# KiCad board little_red_rover.kicad_pcb

Outline 127.3 x 82.2 mm; copper layers: Top, Bottom. Coordinates in mm from the lower left corner of the outline.
Outline path: 0.79,49.1 4.79,49.1 4.79,51.1 1.24,51.1 arc(2.49,55.18) 4.15,59.1 8.15,59.1 8.15,61.1 5.19,61.1 arc(20.28,76.53) 41.1,82.2 127.3,82.2 127.3,80.2 121.3,80.2 121.3,77.9 127.3,77.9 127.3,59.3 121.3,59.3 121.3,57 127.3,57 127.3,25.2 121.3,25.2 121.3,22.9 127.3,22.9 127.3,4.3 121.3,4.3 121.3,2 127.3,2 127.3,0 41.1,0 arc(20.28,5.67) 5.19,21.1 8.15,21.1 8.15,23.1 4.15,23.1 arc(2.49,27.02) 1.24,31.1 4.79,31.1 4.79,33.1 0.79,33.1 arc(0,41.1) 0.79,49.1 ; 53.44,57.45 arc(56.32,59.56) 59.74,58.52 72.88,46.1 arc(98.3,41.1) 72.88,36.1 59.74,23.68 arc(56.32,22.64) 53.44,24.75 arc(49.47,41.1) 53.44,57.45 ; 84.8,77.9 84.8,80.2 97.3,80.2 97.3,77.9 84.8,77.9 ; 84.8,59.3 84.8,57 97.3,57 97.3,59.3 84.8,59.3 ; 84.8,22.9 84.8,25.2 97.3,25.2 97.3,22.9 84.8,22.9 ; 84.8,4.3 84.8,2 97.3,2 97.3,4.3 84.8,4.3
Stack: Top 0.035mm / dielectric 1.51mm FR4 er 4.5 / Bottom 0.035mm

## Placement (name value [footprint] x y rotation side)
C1  1uF  [C_0603_1608Metric_Pad1.08x0.95mm_HandSolder]  16.89 20.23 270 top
C2  47uF  [C_0603_1608Metric_Pad1.08x0.95mm_HandSolder]  23.72 21.22 270 top
C3  1uF  [C_0603_1608Metric_Pad1.08x0.95mm_HandSolder]  23.94 27.28 270 top
C4  1uF  [C_0603_1608Metric_Pad1.08x0.95mm_HandSolder]  16.01 27.32 0 top
C5  4.7uF  [C_0603_1608Metric_Pad1.08x0.95mm_HandSolder]  22.28 12.99 90 top
C6  1uF  [C_0603_1608Metric_Pad1.08x0.95mm_HandSolder]  23.96 68.49 0 top
C7  22uF  [C_0603_1608Metric_Pad1.08x0.95mm_HandSolder]  39.59 32.7 90 top
C8  22uF  [C_0603_1608Metric_Pad1.08x0.95mm_HandSolder]  39.51 55.05 90 top
C9  0.1uF  [C_0603_1608Metric_Pad1.08x0.95mm_HandSolder]  42.01 31.73 0 top
C10  0.1uF  [C_0603_1608Metric_Pad1.08x0.95mm_HandSolder]  41.97 54.25 0 top
C11  10uF  [C_0603_1608Metric_Pad1.08x0.95mm_HandSolder]  17.65 23.71 0 top
C12  10uF  [C_0603_1608Metric_Pad1.08x0.95mm_HandSolder]  15.96 25.31 0 top
C13  0.1uF  [C_0603_1608Metric_Pad1.08x0.95mm_HandSolder]  23.96 63.29 180 top
C14  0.1uF  [C_0603_1608Metric_Pad1.08x0.95mm_HandSolder]  119.64 31.81 180 top
C15  0.1uF  [C_0603_1608Metric_Pad1.08x0.95mm_HandSolder]  23.96 58.09 180 top
C16  22uF  [C_0603_1608Metric_Pad1.08x0.95mm_HandSolder]  12.85 40.8 0 top
D3  WS2812B-2020  [LED_WS2812B-2020_PLCC4_2.0x2.0mm]  80.72 3.02 180 top
D4  WS2812B-2020  [LED_WS2812B-2020_PLCC4_2.0x2.0mm]  77.22 3.02 180 top
D5  WS2812B-2020  [LED_WS2812B-2020_PLCC4_2.0x2.0mm]  73.64 3.07 180 top
D7  LED  [LED_0603_1608Metric_Pad1.05x0.95mm_HandSolder]  67.41 3 90 top
D8  LED  [LED_0603_1608Metric_Pad1.05x0.95mm_HandSolder]  70.9 3 90 top
J1  USB_C_Receptacle_USB2.0_14P  [USB_C_Receptacle_GCT_USB4105-xx-A_16P_TopMnt_Horizontal]  58.78 3.81 0 top
J2  Conn_01x04_Socket  [CONN_SM04B-GHS-TB_JST]  18.24 40.97 90 top
J5  Conn_01x01_Socket  [18650_holder]  33.95 77.47 270 top
J6  Conn_01x01_Socket  [18650_holder]  33.95 4.66 90 top
J7  Conn_01x06  [JST_PH_B6B-PH-K_1x06_P2.00mm_Vertical]  47.31 57.74 270 top
J8  Conn_02x12_Odd_Even  [PinHeader_2x12_P2.54mm_Vertical]  75.04 75.98 90 bottom
J9  Conn_01x06  [JST_PH_B6B-PH-K_1x06_P2.00mm_Vertical]  47.31 34.49 270 top
L2  1uH  [L_1008_2520Metric_Pad1.43x2.20mm_HandSolder]  12.91 17.2 0 top
MH1  M3_threaded  [m3_threaded_insert]  77.1 23.11 0 top
MH2  M3_threaded  [m3_threaded_insert]  77.1 59.11 0 top
MH3  M3_threaded  [m3_threaded_insert]  5.8 41.11 0 top
Q1  PMOS  [TSOT-23_HandSoldering]  21.18 22.47 90 top
Q2  PMOS  [TSOT-23_HandSoldering]  17.97 32.23 270 top
R1  5.1k  [R_0603_1608Metric_Pad0.98x0.95mm_HandSolder]  55.78 9.41 180 top
R2  5.1k  [R_0603_1608Metric_Pad0.98x0.95mm_HandSolder]  61.78 9.41 0 top
R3  10k  [R_0603_1608Metric_Pad0.98x0.95mm_HandSolder]  20.64 13.01 270 top
R4  2.94k  [R_0603_1608Metric_Pad0.98x0.95mm_HandSolder]  18.44 20.23 90 top
R5  4.32k  [R_0603_1608Metric_Pad0.98x0.95mm_HandSolder]  18.83 13 270 top
R6  47k  [R_0603_1608Metric_Pad0.98x0.95mm_HandSolder]  22.53 32.5 180 top
R7  47k  [R_0603_1608Metric_Pad0.98x0.95mm_HandSolder]  49.08 5.51 180 top
R8  10k  [R_0603_1608Metric_Pad0.98x0.95mm_HandSolder]  38.58 46.76 90 top
R9  10k  [R_0603_1608Metric_Pad0.98x0.95mm_HandSolder]  120.58 29.41 90 top
R10  33k  [R_0603_1608Metric_Pad0.98x0.95mm_HandSolder]  38.59 42.84 90 top
R11  1k  [R_0603_1608Metric_Pad0.98x0.95mm_HandSolder]  47.3 7.12 180 top
R12  1.5k  [R_0603_1608Metric_Pad0.98x0.95mm_HandSolder]  65.67 2.98 270 top
R13  560  [R_0603_1608Metric_Pad0.98x0.95mm_HandSolder]  83.2 3.47 270 top
R14  10k  [R_0603_1608Metric_Pad0.98x0.95mm_HandSolder]  106.69 55.43 90 top
R15  10k  [R_0603_1608Metric_Pad0.98x0.95mm_HandSolder]  105.09 55.43 90 top
R16  10k  [R_0603_1608Metric_Pad0.98x0.95mm_HandSolder]  108.21 52.01 270 top
R17  10k  [R_0603_1608Metric_Pad0.98x0.95mm_HandSolder]  112.36 52.04 270 top
R18  1.5k  [R_0603_1608Metric_Pad0.98x0.95mm_HandSolder]  69.16 2.98 270 top
R19  56.2k  [R_0603_1608Metric_Pad0.98x0.95mm_HandSolder]  17.95 17.15 180 top
R20  10k  [R_0603_1608Metric_Pad0.98x0.95mm_HandSolder]  116.83 53.35 270 top
SW1  SW_Push  [SW_Tactile_SPST_NO_Straight_CK_PTS636Sx25SMTRLFS]  17.16 63.29 0 top
SW2  SW_Push  [SW_Tactile_SPST_NO_Straight_CK_PTS636Sx25SMTRLFS]  17.16 68.49 0 top
SW3  SW_Push  [SW_Tactile_SPST_NO_Straight_CK_PTS636Sx25SMTRLFS]  17.16 58.09 0 top
SW4  SW_DPDT_x2  [SW_SPDT_PCM12]  47.11 2.13 0 top
U2  BQ24072RGT  [VQFN-16-1EP_3x3mm_P0.5mm_EP1.6x1.6mm]  22.13 17.35 90 top
U3  MIC5504-3.3YM5  [SOT-23-5]  20.86 27.54 0 top
U4  TPS613222ADBV  [SOT-23-5]  14.18 20.95 90 top
U5  DRV8212P  [WSON-8-1EP_2x2mm_P0.5mm_EP0.9x1.6mm_ThermalVias]  40.31 52.15 0 top
U6  DRV8212P  [WSON-8-1EP_2x2mm_P0.5mm_EP0.9x1.6mm_ThermalVias]  40.46 29.75 0 top
U9  LSM6DS3  [LGA-14_3x2.5mm_P0.5mm_LayoutBorder3x4y]  101.09 55.43 270 top
U10  -  [ESP32-S3-MINI-1]  113.76 41.51 270 top

## Library data of the parts
C1-C16 = -: Description: Unpolarized capacitor; JLC: 0603
D3-D5 = -: Description: RGB LED with integrated controller, 2.0 x 2.0 mm, 12 mA; JLC: SMD,2x2mm; LCSC: C965555
D7 D8 = -: Description: Light emitting diode; JLC: 0603; LCSC: C5342734
J1 = -: Description: USB 2.0-only 14P Type-C Receptacle connector; JLC: SMD; LCSC: C2927038
J2 = -: Description: Generic connector, single row, 01x04, script generated; JLC: SMD,P=1.25mm; LCSC: C189895
J5 J6 = -: Description: Generic connector, single row, 01x01, script generated; JLC: SMD; LCSC: C2979182
J7 J9 = -: Description: Generic connector, single row, 01x06, script generated (kicad-library-utils/schlib/autogen/connector/); LCSC: C131342
J8 = -: Description: Generic connector, double row, 02x12, odd/even pin numbering scheme (row 1 odd numbers, row 2 even numbers), script generated (kicad-library-utils/schlib/autogen/connector/); JLC: DNF
L2 = -: Description: Inductor; JLC: 1008; LCSC: C139491
MH1-MH3 = -: Description: Mounting Hole without connection; JLC: -; LCSC: C5301780
Q1 Q2 = -: Description: P-MOSFET transistor, drain/source/gate; JLC: SOT-23; LCSC: C306862; Sim.Pins: 1=D 2=G 3=S; Sim.Type: VDMOS
R1-R20 = -: Description: Resistor; JLC: 0603
SW1-SW3 = -: Description: Push button switch, generic, two pins; LCSC: C2689642
SW4 = -: Description: Switch, dual pole double throw, separate symbols; LCSC: C431541
U2 = -: Description: USB-Friendly Li-Ion Battery Charger and Power-Path Management, VQFN-16; JLC: QFN-16-EP(3x3); LCSC: C140288
U3 = -: Description: 300mA Low-dropout Voltage Regulator, Vout 3.3V, Vin up to 5.5V, SOT-23; JLC: SOT-23-5; LCSC: C88419
U4 = -: Description: 1.8A Step-Up Converter, 5V Output Voltage, 0.9-5.5V Input Voltage, SOT-23-5; JLC: SOT-23-5; LCSC: C2070802
U5 U6 = -: Description: H-Bridge driver, 4A, Low Voltage, PWM input, WSON-8; JLC: WSON-8(2x2); LCSC: C5208051
U9 = -: Description: I2C/SPI, iNEMO inertial module: always-on 3D accelerometer and 3D gyroscope; JLC: LGA-14(2.5x3); LCSC: C95230
U10 = -: Description: Smallsized module supporting 2.4 GHz WiFi (802.11 b/g/n) and Bluetooth ® 5 (LE) Built around ESP32S3 series of SoCs, Xtensa ® dualcore 32bit LX7 microprocessor Flash up to 8 MB, optional 2 MB PSRAM in chip package 39 GPIOs, rich set of peripherals Onboard PCB antenna or external antenna connector; JLC: SMD-41P; LCSC: C2913206

## Footprints (pads in the part's own frame, mm; a bottom-side part is the same pattern mirrored in y, then rotated)
18650_holder
  rect 4.24x3.3 hole 1.85: 1(0,0)
  rect 4.24x5.2 hole 1.85: 1(16.01,0)
C_0603_1608Metric_Pad1.08x0.95mm_HandSolder
  rrect 1.075x0.95 smd: 1(-0.863,0) 2(0.863,0)
CONN_SM04B-GHS-TB_JST
  rect 0.66x1.702 smd: 1(-1.875,1.876) 2(-0.625,1.876) 3(0.625,1.876) 4(1.875,1.876)
  rect 1.092x2.794 smd: 5(-3.8,-1.2) 6(3.8,-1.2)
ESP32-S3-MINI-1
  rect 0.8x0.4 smd: 1(-7,5.95) 2(-7,5.1) 3(-7,4.25) 4(-7,3.4) 5(-7,2.55) 6(-7,1.7) 7(-7,0.85) 8(-7,0) 9(-7,-0.85) 10(-7,-1.7) 11(-7,-2.55) 12(-7,-3.4) 13(-7,-4.25) 14(-7,-5.1) 15(-7,-5.95) 31(7,-5.95) 32(7,-5.1) 33(7,-4.25) 34(7,-3.4) 35(7,-2.55) 36(7,-1.7) 37(7,-0.85) 38(7,0) 39(7,0.85) 40(7,1.7) 41(7,2.55) 42(7,3.4) 43(7,4.25) 44(7,5.1) 45(7,5.95)
  rect 0.4x0.8 smd: 16(-5.95,-7) 17(-5.1,-7) 18(-4.25,-7) 19(-3.4,-7) 20(-2.55,-7) 21(-1.7,-7) 22(-0.85,-7) 23(0,-7) 24(0.85,-7) 25(1.7,-7) 26(2.55,-7) 27(3.4,-7) 28(4.25,-7) 29(5.1,-7) 30(5.95,-7) 46(5.95,7) 47(5.1,7) 48(4.25,7) 49(3.4,7) 50(2.55,7) 51(1.7,7) 52(0.85,7) 53(0,7) 54(-0.85,7) 55(-1.7,7) 56(-2.55,7) 57(-3.4,7) 58(-4.25,7) 59(-5.1,7) 60(-5.95,7)
  custom 1.2x1.2 smd: 61(-1.65,1.65)
  rect 1.2x1.2 smd: 61(-1.65,0) 61(-1.65,-1.65) 61(0,1.65) 61(0,0) 61(0,-1.65) 61(1.65,1.65) 61(1.65,0) 61(1.65,-1.65)
  rect 0.8x0.8 smd: 62(-7,7) 63(-7,-7) 64(7,-7) 65(7,7)
JST_PH_B6B-PH-K_1x06_P2.00mm_Vertical
  rrect 1.2x1.75 hole 0.75: 1(0,0)
  oval 1.2x1.75 hole 0.75: 2(2,0) 3(4,0) 4(6,0) 5(8,0) 6(10,0)
L_1008_2520Metric_Pad1.43x2.20mm_HandSolder
  rrect 1.425x2.2 smd: 1(-1.163,0) 2(1.163,0)
LED_0603_1608Metric_Pad1.05x0.95mm_HandSolder
  rrect 1.05x0.95 smd: 1(-0.875,0) 2(0.875,0)
LED_WS2812B-2020_PLCC4_2.0x2.0mm
  rect 0.7x0.7 smd: 1(-0.915,0.55) 2(-0.915,-0.55) 3(0.915,-0.55) 4(0.915,0.55)
LGA-14_3x2.5mm_P0.5mm_LayoutBorder3x4y
  rrect 0.625x0.35 smd: 1(-1.163,0.75) 2(-1.163,0.25) 3(-1.163,-0.25) 4(-1.163,-0.75) 8(1.163,-0.75) 9(1.163,-0.25) 10(1.163,0.25) 11(1.163,0.75)
  rrect 0.35x0.625 smd: 5(-0.5,-0.912) 6(0,-0.912) 7(0.5,-0.912) 12(0.5,0.912) 13(0,0.912) 14(-0.5,0.912)
m3_threaded_insert
  round 6.2 hole 4.22 unplated: (0,0)
PinHeader_2x12_P2.54mm_Vertical
  rect 1.7x1.7 hole 1: 1(0,0)
  oval 1.7x1.7 hole 1: 2(2.54,0) 3(0,-2.54) 4(2.54,-2.54) 5(0,-5.08) 6(2.54,-5.08) 7(0,-7.62) 8(2.54,-7.62) 9(0,-10.16) 10(2.54,-10.16) 11(0,-12.7) 12(2.54,-12.7) 13(0,-15.24) 14(2.54,-15.24) 15(0,-17.78) 16(2.54,-17.78) 17(0,-20.32) 18(2.54,-20.32) 19(0,-22.86) 20(2.54,-22.86) 21(0,-25.4) 22(2.54,-25.4) 23(0,-27.94) 24(2.54,-27.94)
R_0603_1608Metric_Pad0.98x0.95mm_HandSolder
  rrect 0.975x0.95 smd: 1(-0.912,0) 2(0.912,0)
SOT-23-5
  rrect 1.325x0.6 smd: 1(-1.137,0.95) 2(-1.137,0) 3(-1.137,-0.95) 4(1.137,-0.95) 5(1.137,0.95)
SW_SPDT_PCM12
  rect 1x0.8 smd: (-3.65,0.78) (-3.65,-1.43) (3.65,0.78) (3.65,-1.43)
  round 0.9 hole 0.9 unplated: (-1.5,-0.33) (1.5,-0.33)
  rect 0.7x1.5 smd: 1(-2.25,1.43) 2(0.75,1.43) 3(2.25,1.43)
SW_Tactile_SPST_NO_Straight_CK_PTS636Sx25SMTRLFS
  rect 1.25x1 smd: 1(-3.875,0) 2(3.875,0)
TSOT-23_HandSoldering
  rrect 2x0.65 smd: 1(-1.71,0.95) 2(-1.71,-0.95) 3(1.71,0)
USB_C_Receptacle_GCT_USB4105-xx-A_16P_TopMnt_Horizontal
  round 0.65 hole 0.65 unplated: (-2.89,2.605) (2.89,2.605)
  rrect 0.6x1.15 smd: A1(-3.2,3.68) A4(-2.4,3.68) A9(2.4,3.68) A12(3.2,3.68) B1(3.2,3.68) B4(2.4,3.68) B9(-2.4,3.68) B12(-3.2,3.68)
  rrect 0.3x1.15 smd: A5(-1.25,3.68) A6(-0.25,3.68) A7(0.25,3.68) A8(1.25,3.68) B5(1.75,3.68) B6(0.75,3.68) B7(-0.75,3.68) B8(-1.75,3.68)
  oval 1x2.1 hole 0.6x1.7: S1(-4.32,3.105) S1(4.32,3.105)
  oval 1x1.8 hole 0.6x1.4: S1(-4.32,-1.075) S1(4.32,-1.075)
VQFN-16-1EP_3x3mm_P0.5mm_EP1.6x1.6mm
  rrect 0.64x0.64 smd: (-0.4,0.4) (-0.4,-0.4) (0.4,0.4) (0.4,-0.4)
  rrect 0.875x0.25 smd: 1(-1.438,0.75) 2(-1.438,0.25) 3(-1.438,-0.25) 4(-1.438,-0.75) 9(1.438,-0.75) 10(1.438,-0.25) 11(1.438,0.25) 12(1.438,0.75)
  rrect 0.25x0.875 smd: 5(-0.75,-1.438) 6(-0.25,-1.438) 7(0.25,-1.438) 8(0.75,-1.438) 13(0.75,1.438) 14(0.25,1.438) 15(-0.25,1.438) 16(-0.75,1.438)
  rect 1.6x1.6 smd: 17(0,0)
WSON-8-1EP_2x2mm_P0.5mm_EP0.9x1.6mm_ThermalVias
  rect 0.75x0.65 smd: (0,0.4) (0,-0.4)
  rrect 0.5x0.25 smd: 1(-0.95,0.75) 2(-0.95,0.25) 3(-0.95,-0.25) 4(-0.95,-0.75) 5(0.95,-0.75) 6(0.95,-0.25) 7(0.95,0.25) 8(0.95,0.75)
  round 0.6 hole 0.25: 9(0,0.5) 9(0,-0.5)
  rect 0.9x1.6 smd: 9(0,0)
  rect 0.9x1.6 smd far side: 9(0,0)

## Nets
+3.3V: C3.1 C9.1 C10.1 J7.4 J8.20 J8.22 J9.4 R9.1 R14.1 R15.1 R16.1 R17.1 R20.1 U3.5 U5.8 U6.8 U9.1 U9.5 U9.8 U9.12 U10.3
+5V: C11.1 C12.1 C16.1 D3.4 D4.4 D5.4 J2.4 J8.19 J8.21 U4.4
GND: C1.1 C2.1 C3.2 C4.2 C5.1 C6.2 C7.2 C8.2 C9.2 C10.2 C11.2 C12.2 C13.1 C14.1 C15.1 C16.2 D3.2 D4.2 D5.2 J1.A1 J1.A12 J1.B1 J1.B12 J1.S1 J2.2 J5.1 J7.1 J8.1 J8.2 J8.23 J8.24 J9.1 R1.2 R2.2 R3.2 R4.2 R5.2 R6.1 R7.1 R10.1 R19.2 SW1.1 SW2.1 SW3.1 SW4.3 U2.4 U2.6 U2.8 U2.15 U2.17 U3.2 U4.2 U5.4 U5.9 U6.4 U6.9 U9.6 U9.7 U10.1 U10.2 U10.41 U10.42 U10.43 U10.44 U10.46 U10.47 U10.48 U10.49 U10.50 U10.51 U10.52 U10.53 U10.54 U10.55 U10.56 U10.57 U10.58 U10.59 U10.60 U10.61 U10.62 U10.63 U10.64 U10.65
VDD: C4.1 C7.1 C8.1 L2.1 Q1.3 R8.2 U3.1 U3.3 U5.1 U6.1
+BATT: C5.2 Q2.2 U2.2 U2.3
/bat_+: J6.1 Q2.3
/bat_level: J8.3 R8.1 R10.2 U10.19
/boot: C13.2 R20.2 SW1.2 U10.4
/charger_out: C2.2 Q1.2 R12.2 R18.2 SW4.1 U2.5 U2.10 U2.11
/CHG: D7.1 U2.9
/chip_en: C6.1 C14.2 R9.2 SW2.2 U10.45
/GPIO_16: J8.5 U10.20
/GPIO_21: J8.7 U10.25
/GPIO_33: J8.9 U10.28
/GPIO_34: J8.11 U10.29
/GPIO_35: J8.13 U10.31
/GPIO_36: J8.15 U10.32
/GPIO_37: J8.17 U10.33
/GPIO_38: J8.4 U10.34
/GPIO_39: J8.6 U10.35
/GPIO_40: J8.8 U10.36
/GPIO_41: J8.10 U10.37
/GPIO_42: J8.12 U10.38
/GPIO_43: J8.14 U10.39
/GPIO_44: J8.16 U10.40
/GPIO_48: J8.18 U10.30
/ILIM: R4.1 U2.12
/imu_scl: R15.2 U9.13 U10.5
/imu_sda: R14.2 U9.14 U10.6
/ISET: R5.1 U2.16
/left_encoder_a: J7.2 U10.17
/left_encoder_b: J7.3 U10.18
/left_motor_+: J7.5 U5.2
/left_motor_-: J7.6 U5.3
/left_motor_pwm_a: U5.6 U10.10
/left_motor_pwm_b: U5.5 U10.11
/lidar_enable: U10.16
/lidar_pwm: J2.1 U10.27
/lidar_tx: J2.3 U10.22
/motor_sleep: R17.2 U5.7 U6.7 U10.9
/PGOOD: D8.1 U2.7
/reprovision: C15.2 R16.2 SW3.2 U10.15
/right_encoder_a: J9.2 U10.7
/right_encoder_b: J9.3 U10.8
/right_motor_+: J9.5 U6.2
/right_motor_-: J9.6 U6.3
/right_motor_pwm_a: U6.6 U10.12
/right_motor_pwm_b: U6.5 U10.13
/status_leds: R13.1 U10.14
/TMR: R19.1 U2.14
/TS: R3.1 U2.1
/usb_5v: C1.2 J1.A4 J1.A9 J1.B4 J1.B9 U2.13
/usb_data_+: J1.A6 J1.B6 U10.24
/usb_data_-: J1.A7 J1.B7 U10.23
Net-(D3-DIN): D3.3 R13.2
Net-(D3-DOUT): D3.1 D4.3
Net-(D4-DOUT): D4.1 D5.3
Net-(D7-A): D7.2 R12.1
Net-(D8-A): D8.2 R18.1
Net-(J1-CC1): J1.A5 R1.1
Net-(J1-CC2): J1.B5 R2.1
Net-(Q1-G): Q1.1 R11.2
Net-(Q2-G): Q2.1 R6.2
Net-(SW4A-B): R7.2 R11.1 SW4.2
Net-(U4-SW): L2.2 U4.1

Pads without a net: D5 1; J1 A8 B8; J2 5 6; U3 4; U4 3 5; U9 2 3 4 9 10 11; U10 21 26

## Via types
v1: diameter 0.8, hole 0.4, Top to Bottom, 170 vias

## Routing (per net, layer and track width the routed paths; a pad name or vN(x,y) marks a point on that pad's centre or on a via; arc(x,y) is an arc through that point)
+3.3V: length 264.5
  Top w0.2: U9.8 100.34,53.91 100.59,53.66 102.09,53.66 102.32,53.88 102.32,54.66 102.04,54.93 ; 100.14,55.93 99.86,56.21 99.86,56.98 100.09,57.21 101.59,57.21 101.84,56.96 U9.1 ; U9.5 100.54,55.93 101.54,54.93 U9.12 102.96,54.93 103.55,55.52 104.14,55.52 105.09,54.57 106.69,54.57
  Top w0.5: 41.41,30.57 41.41,31.47 C9.1 ; v1(117.91,50.98) 118.01,50.88 118.01,49.02 ; 41.26,54.1 41.26,52.97 ; v1(120.62,27.36) 120.62,28.46 ; 106.69,54.57 112.25,54.57 v1(112.38,54.44) 112.42,54.4 112.42,53.26 112.06,52.9 108.23,52.9 ; R20.1 117.33,54.26 117.91,53.68 v1(117.91,53.26)
  Top w1: C9.1 41.15,33.55 42.36,34.77 43.36,34.77 44.11,34.02 44.11,29.75 v1(43.65,29.29) 44.44,28.49 J9.4 ; v1(25.91,27.44) 25.2,28.14 23.94,28.14 23.59,28.49 U3.5 ; J7.4 44.05,51.74 v1(43.95,51.64) 44.07,51.76 44.07,55.14 42.6,56.61 41.7,56.61 40.9,55.82 40.9,54.46 C10.1
  Bottom w0.5: v1(120.62,27.36) 117.96,27.36 117.96,50.93 v1(117.91,50.98) v1(117.91,53.26) 116.73,54.44 v1(112.38,54.44)
  Bottom w1: 117.96,27.36 109.91,19.31 45.47,19.31 39.82,24.96 ; 39.82,24.96 40.93,24.96 43.65,27.68 v1(43.65,29.29) 44.42,30.06 44.42,51.17 v1(43.95,51.64) 44.47,52.16 44.47,78.09 46.46,80.07 48.09,80.07 J8.22 J8.20 ; 39.82,24.96 36.36,28.42 32.5,28.42 31.56,27.49 25.96,27.49 v1(25.91,27.44)
+5V: length 174.7
  Top w0.3: v1(71.49,6.15) 71.84,5.8 71.84,2.75 72.07,2.52 D5.4 73.42,1.82 75.65,1.82 D4.4 77.27,1.51 79.8,1.51
  Top w0.5: D3.4 79.8,1.51
  Top w1: J8.19 J8.21 48.09,74.43 39.34,74.43 v1(39.31,74.46) ; J2.4 16.36,44.16 v1(15.93,44.59) ; 13.85,25.35 12.05,25.35 v1(12,25.3) ; 13.85,25.35 13.89,25.31 C12.1 15.1,24.83 16.22,23.71 C11.1 15.17,22.09 U4.4 13.85,23.36 13.85,25.35 ; v1(12,42.51) 11.98,42.49 C16.1
  Bottom w0.2: 12.08,33.21 22.2,23.09 37.85,23.09 45.41,15.53
  Bottom w0.3: 45.41,15.53 62.11,15.53 v1(71.49,6.15)
  Bottom w1: v1(39.31,74.46) 15.93,51.08 v1(15.93,44.59) 14.08,44.59 v1(12,42.51) v1(12,25.3)
GND: length 79.7
  Top w0.2: J1.S1 62.52,7.49 J1.A12 ; U2.4 22.88,16.35 22.83,16.4 22.83,16.65 ; v1(28.08,18.26) 27.92,18.1 U2.8 ; 22.72,17.55 23.17,17.1 23.59,17.1 ; v1(104.59,49.32) 102.81,51.09 v1(101.54,51.09) ; U5.4 40.06,51.4 U5.9 ; U9.6 U9.7
  Top w0.25: 106.69,48.58 v1(106.69,50.86) ; 22.72,17.94 22.86,18.08 23.57,18.08
  Top w0.3: v1(23.79,15.49) 23.38,15.91 22.92,15.91 22.91,15.89 ; U4.2 14.18,20.48 14.78,21.08 16.87,21.08 ; 54.87,9.61 55.58,8.9 J1.A1 ; 100.15,55.41 99.87,55.12 99.87,54.93 ; U9.7 100.18,55.41 ; U3.2 20.38,27.54 ; U6.9 40.21,29 U6.4 ; J1.A12 61.98,8.7 R2.2 ; R19.2 17.54,17.15 18.36,16.33 19.39,16.33 20.17,17.1 21.2,17.1 21.54,16.76
  Top w0.4: C3.2 22.82,27.54 U3.2
  Top w0.5: v1(78.43,5.1) 78.43,3.86 78.14,3.57 ; C14.1 120.51,33.75 120.76,34.01 ; D5.2 74.55,4.92 v1(74.54,4.93) ; v1(81.63,4.55) 81.64,4.54 81.64,3.57
  Top w1: U10.61 U10.61 ; U10.61 U10.61 ; U10.61 U10.61 ; U10.61 U10.61 ; U10.61 U10.61 ; U10.61 U10.61 ; U10.61 U10.61 ; U10.61 U10.61 ; v1(42.15,55.3) 42.83,54.61 C10.2 ; C8.2 39.51,56.12 v1(41.34,57.95) ; v1(42.86,33.57) 42.87,33.56 C9.2
  Bottom w0.2: v1(101.54,51.09) 99.27,53.36 v1(99.27,54.11)
  Bottom w0.25: v1(108.2,45.95) 106.63,47.52 106.63,50.8 v1(106.69,50.86)
  Bottom w0.5: v1(74.54,4.93) 74.38,5.09 ; v1(81.63,4.55) 78.98,4.55 v1(78.43,5.1)
  vias: v1(7.33,32.51) v1(9.33,53.51) v1(17.58,57.51) v1(20.08,22.76) v1(20.58,49.76) v1(20.84,7.53) v1(23.58,35.51) v1(24.33,66.01) v1(25.57,50.17) v1(25.83,21.01) v1(26.22,26.36) v1(27.08,67.51) v1(27.4,12.14) v1(27.91,19.71) v1(28.87,37.83) v1(29.08,25.26) v1(29.97,6.71) v1(30.08,21.26) v1(30.91,71.53) v1(31.44,11.72) v1(31.83,55.01) v1(32.58,45.01) v1(38.79,18.34) v1(39.49,4.37) v1(39.58,79.51) v1(41.08,70.01) v1(42.58,39.51) v1(42.83,43.01) v1(47.18,37.63) v1(47.44,41.7) v1(49.08,71.01) v1(49.22,21.12) v1(55.33,71.51) v1(62.83,69.51) v1(67.58,22.51) v1(69.33,68.76) v1(70.08,24.76) v1(70.09,15.33) v1(71.83,51.01) v1(71.82,30.52) v1(72.33,21.01) v1(75.3,73.06) v1(75.35,9) v1(78.83,69.26) v1(79.61,74.01) v1(81.82,58.8) v1(82.08,14.76) v1(84.01,23.66) v1(87.98,65.99) v1(88.43,62.88) v1(88.59,70.14) v1(88.84,67.6) v1(91.42,66.07) v1(92.9,61.64) v1(96.08,12.76) v1(96.33,73.26) v1(99,29.76) v1(103.33,2.51) v1(105.08,76.26) v1(107.89,23.41) v1(111.19,27.73) v1(112.58,44.76) v1(112.83,38.26) v1(116.08,45.51) v1(116.83,3.26) v1(118.08,18.01) v1(120.24,64.87) v1(120.45,76.06)
VDD: length 74.6
  Top w0.3: U5.1 39.36,53.44
  Top w0.4: 39.59,31.03 39.59,30.58
  Top w0.5: C7.1 39.59,31.03 ; 39.36,54.04 39.36,53.44
  Top w1: 36.83,47.76 36.83,52.45 38.56,54.19 C8.1 ; 36.83,47.76 v1(36.83,34.45) 39.45,31.84 C7.1 ; 36.83,47.76 36.92,47.67 R8.2 ; Q1.3 21.18,24.22 18.24,27.16 18.24,28.69 ; 18.24,28.69 16.37,28.69 15.64,27.95 15.64,27.81 C4.1 12.32,27.32 10.72,25.71 10.72,18.23 L2.1 ; 18.24,28.69 20.37,28.69 20.51,28.83 v1(20.51,30.05)
  Bottom w1: v1(36.83,34.45) 32.43,30.05 v1(20.51,30.05)
+BATT: length 33.3
  Top w0.5: 22.3,15.89 22.28,15.86 C5.2 22.28,15.56 21.95,15.89
  Top w1: v1(13.44,30.65) 13.73,30.65 Q2.2 ; v1(23.91,13.82) 23.88,13.85 C5.2
  Bottom w1: v1(23.91,13.82) 21.61,13.82 13.44,21.99 v1(13.44,30.65)
/bat_+: length 39.2
  Top w1: J6.1 33.95,24.97 27.67,31.25 18.7,31.25 Q2.3
  Bottom w1: J6.1 J6.1
/bat_level: length 113.6
  Top w0.2: J8.3 73.72,74.76 80.08,74.76 81.58,73.26 v1(82.33,73.26) ; R8.1 48.16,45.85 49.6,47.29 49.6,55.28 v1(52.33,58.01) ; v1(102.41,47.7) 102.93,47.18 102.93,47.01 102.97,47.01 103.41,46.57 103.41,45.95 103.15,45.69 103.93,44.91 U10.19 ; v1(59.83,67.76) v1(53.08,67.76)
  Top w1: R8.1 38.58,43.76 R10.2
  Bottom w0.2: J8.3 64.28,67.76 v1(59.83,67.76) ; v1(102.41,47.7) 102.39,47.7 97.71,52.38 97.71,54.53 98.9,55.72 98.9,61.48 89.37,71.01 84.58,71.01 v1(82.33,73.26) ; v1(53.08,67.76) 53.08,58.76 v1(52.33,58.01)
/boot: length 105.1
  Top w0.2: C13.2 23.96,64.15 105.11,64.15 R20.2 117.16,52.11 U10.4
  Top w0.5: C13.2 SW1.2 ; 116.83,52.43 R20.2
/charger_out: length 78.5
  Top w0.2: R18.2 68.37,2.85 68.37,4.21 67.88,4.7 63.31,4.7 v1(63.28,4.67) 65.67,2.28 ; v1(40.36,9.6) 31.84,9.6 25.12,16.32
  Top w0.3: v1(40.36,9.6) 44.86,5.1 SW4.1
  Top w0.5: 21.95,18.89 21.95,20.59 Q1.2 ; 22.3,19.76 22.3,18.81 ; 23.59,16.53 23.61,16.51 25.15,16.51
  Top w1: 24.32,19.93 23.89,20.36 C2.2 ; 24.32,19.93 22.15,19.93 22.13,19.95 Q1.2 ; 24.32,19.93 v1(24.75,19.5) ; v1(26.04,16.88) 25.49,16.32 25.12,16.32
  Bottom w0.2: v1(40.36,9.6) 40.16,9.8 40.16,11.45 40.57,11.86 54.9,11.86 62.09,4.67 v1(63.28,4.67)
  Bottom w1: v1(24.75,19.5) 24.75,18.17 v1(26.04,16.88)
/CHG: length 55.3
  Top w0.2: v1(40.86,11.16) 36.38,15.64 29.27,15.64 28.83,16.08 28.83,18.57 28.39,19.01 27.02,19.01 26.67,18.66 23.03,18.66 22.88,18.81 ; v1(61.77,1.44) 61.98,1.23 66.52,1.23 D7.1
  Bottom w0.2: v1(40.86,11.16) 53.92,11.16 58.47,6.61 58.88,6.61 61.77,3.72 v1(61.77,1.44)
/chip_en: length 129.6
  Top w0.2: v1(101.08,65.29) 27.78,65.29 25.35,67.71 23.87,67.71 C6.1 ; v1(119.25,35.75) 119.71,35.29 119.71,32.74 C14.2
  Top w0.3: 120.27,30.32 C14.2
  Top w0.5: C6.1 SW2.2
  Bottom w0.2: v1(101.08,65.29) 108.8,65.29 119.33,54.76 119.33,50.9 119.25,50.82 v1(119.25,35.75)
/GPIO_16: length 57.8
  Top w0.2: J8.5 73.63,72.31 80.03,72.31 83.78,68.56 v1(84.65,68.56) ; U10.20 104.16,44.06 102.66,45.56 v1(102.66,46.26)
  Bottom w0.2: v1(84.65,68.56) 89.98,68.56 91.37,67.17 92.65,67.17 98.45,61.37 98.45,59.85 98.5,59.8 98.5,56.5 98.45,56.45 98.45,55.96 97.31,54.82 97.31,52.17 101.66,47.82 101.66,47.39 102.66,46.39 v1(102.66,46.26)
/GPIO_21: length 66.3
  Top w0.2: v1(104.83,39.5) 105.14,39.81 U10.25 ; J8.7 71.49,71.91 79.87,71.91 84,67.78 v1(85.46,67.78)
  Bottom w0.2: v1(85.46,67.78) 85.46,64.94 86.06,64.94 86.06,62.24 87.41,60.89 96.28,60.89 97.7,59.47 97.7,56.83 96.51,55.64 96.51,51.81 100.86,47.47 100.86,43.48 v1(104.83,39.5)
/GPIO_33: length 79.8
  Top w0.2: v1(103.44,37.97) 104.15,37.26 U10.28
  Bottom w0.2: J8.9 63.73,74.83 61.75,74.83 58.33,71.41 58.33,67.26 60.58,65.01 80.71,65.01 81.82,63.9 81.82,60.79 84,58.61 84,56.67 84.47,56.2 90.93,56.2 91.3,55.83 91.33,55.83 100.06,47.1 100.06,41.36 v1(103.44,37.97)
/GPIO_34: length 79.1
  Top w0.2: v1(102.81,37.13) 103.53,36.41 U10.29
  Bottom w0.2: v1(102.81,37.13) 99.66,40.29 99.66,46.94 91.16,55.43 91.14,55.43 90.77,55.8 84.3,55.8 83.6,56.5 83.6,58.45 81.3,60.75 81.3,63.85 80.64,64.51 60.58,64.51 60.48,64.61 60.41,64.61 57.93,67.09 57.93,71.57 J8.11
/GPIO_35: length 77.8
  Top w0.2: v1(85.08,72.51) 80.4,72.51 80.2,72.71 76.71,72.71 75.61,73.81 73.03,73.81 71.11,75.73 71.11,76.46 70.44,77.13 60.95,77.13 J8.13 ; U10.31 107.81,35.69 v1(107.82,35.7)
  Bottom w0.2: v1(107.82,35.7) 107.47,36.05 107.47,45.05 105.77,46.75 105.77,49.3 103.29,51.78 103.29,58.24 89.52,72.01 85.58,72.01 v1(85.08,72.51)
/GPIO_36: length 86.9
  Top w0.2: U10.32 108.66,34.01 107.46,32.81 105.92,32.81 105.56,32.44 105.56,31.82 105.58,31.79 v1(105.4,31.61)
  Bottom w0.2: v1(105.4,31.61) 105.4,33.5 99.1,39.8 99.1,46.92 90.99,55.03 90.97,55.03 90.6,55.4 84.14,55.4 84.03,55.51 80.9,55.51 80.9,63.68 60.77,63.68 57.53,66.93 57.53,66.99 57.26,67.27 J8.15
/GPIO_37: length 86.6
  Top w0.2: 109.51,34.7 108.57,35.64 v1(108.57,36.55)
  Bottom w0.2: J8.17 55.87,77.13 79.52,77.13 83.08,73.57 83.08,73.32 84.89,71.51 89.45,71.51 102.89,58.07 102.89,51.29 103.75,50.43 103.75,48.21 107.07,44.89 107.07,35.44 107.69,34.81 108.27,34.81 108.57,35.11 v1(108.57,36.55)
/GPIO_38: length 67.4
  Top w0.2: 110.36,34.7 109.47,35.59 109.47,36.64 v1(108.44,37.68) ; J8.4 74.14,80.16 77.04,80.16 83.3,73.9 v1(84.51,73.9)
  Bottom w0.2: v1(84.51,73.9) 85.09,73.9 86.58,72.41 89.68,72.41 103.69,58.4 103.69,51.95 106.17,49.46 106.17,47.05 107.45,45.78 107.45,45.64 107.89,45.2 108.05,45.2 108.05,38.06 v1(108.44,37.68)
/GPIO_39: length 73
  Top w0.2: v1(83.11,75.16) 83.11,77.73 80.27,80.56 72,80.56 J8.6 ; v1(110.85,36.04) 111.21,35.68 U10.35
  Bottom w0.2: v1(110.85,36.04) 110.69,36.2 110.69,45.5 110.99,45.8 110.99,46.42 110.63,46.78 110.63,52.3 110.19,52.74 109.92,52.74 89.35,73.31 87.66,73.31 85.82,75.16 v1(83.11,75.16)
/GPIO_40: length 74.1
  Top w0.2: U10.36 112.06,35.78 v1(111.89,35.95)
  Bottom w0.2: v1(111.89,35.95) 111.78,36.06 111.78,36.34 111.39,36.73 111.39,46.59 111.03,46.95 111.03,52.47 110.36,53.14 110.08,53.14 89.51,73.71 87.83,73.71 81.47,80.07 68.97,80.07 J8.8
/GPIO_41: length 77.8
  Top w0.2: U10.37 112.91,36.27 v1(112.09,37.09)
  Bottom w0.2: v1(112.09,37.09) 111.83,37.34 111.83,51.95 111.43,52.36 111.43,52.63 110.52,53.54 110.25,53.54 89.68,74.11 88.38,74.11 88.04,74.45 87.65,74.45 82.56,79.55 82.56,79.93 82.02,80.47 66.83,80.47 J8.10
/GPIO_42: length 83.9
  Top w0.2: v1(115.58,37.38) 113.76,35.56 U10.38 ; J8.12 64.69,80.87 68.07,80.87 68.16,80.96 80.48,80.96 86.24,75.2 v1(87.96,75.2)
  Bottom w0.2: v1(115.58,37.38) 117.01,38.81 117.01,47.14 114.25,49.9 114.25,50.38 89.42,75.2 v1(87.96,75.2)
/GPIO_43: length 87.2
  Top w0.2: 114.63,34.53 114.63,35.37 v1(114.91,35.65) ; J8.14 62.64,81.36 80.77,81.36 86.18,75.95 v1(89.39,75.95)
  Bottom w0.2: v1(114.91,35.65) 116.33,37.07 116.33,37.2 117.41,38.28 117.41,47.3 114.65,50.06 114.65,50.54 89.39,75.8 v1(89.39,75.95)
/GPIO_44: length 95.5
  Top w0.2: U10.40 115.46,34.16 113.12,31.82 106.55,31.82 v1(106.31,32.06) ; v1(86.38,66.77) 84.44,66.77 79.7,71.51 58.89,71.51 58.65,71.75 58.65,76.46 58.99,76.79 J8.16
  Bottom w0.2: v1(106.31,32.06) 106.31,41.55 101.87,45.99 101.87,46.61 101.26,47.23 101.26,47.65 96.91,52 96.91,55.48 98.1,56.67 98.1,59.63 98,59.73 98,61.25 92.48,66.77 v1(86.38,66.77)
/GPIO_48: length 80.9
  Top w0.2: U10.30 102.03,35.56 v1(101.58,36.01)
  Bottom w0.2: v1(101.58,36.01) 101.58,36.26 98.7,39.14 98.7,46.73 90.66,54.78 73.38,54.78
  Bottom w0.25: 73.38,54.78 69.08,54.78 53.54,70.31 53.54,77.35 J8.18
/ILIM: length 3.1
  Top w0.3: R4.1 18.94,18.81 21.36,18.81
/imu_scl: length 19.7
  Top w0.2: U10.5 116.31,51.36 116.28,51.39 116.28,51.6 112.47,55.41 105.98,55.41 105.09,56.29 103.76,56.29 102.89,55.43 U9.13
/imu_sda: length 19.6
  Top w0.2: U9.14 102.38,55.93 103.58,57.13 105.85,57.13 106.69,56.29 110.37,56.29 v1(110.51,56.16) ; v1(115.57,50.82) 115.46,50.71 U10.6
  Bottom w0.2: v1(115.57,50.82) 114.95,50.82 110.51,55.27 v1(110.51,56.16)
/ISET: length 3.4
  Top w0.3: 20.67,16.6 18.83,14.76 R5.1
/left_encoder_a: length 77.3
  Top w0.2: v1(102.43,49.85) 102.43,49.74 105.56,46.61 U10.17 ; v1(49.14,63.09) 49.18,63.05 87.54,63.05 88.12,63.63 88.74,63.63 89.18,63.19 89.18,63.05 96.12,63.05 v1(99.72,59.45)
  Bottom w0.2: v1(99.72,59.45) 102.49,56.68 102.49,49.9 v1(102.43,49.85) ; J7.2 49.14,57.57 v1(49.14,63.09)
/left_encoder_b: length 79.9
  Top w0.2: v1(51.21,62.3) 67.93,62.3 74.51,55.71 78.51,55.71 79.87,57.07 81.43,57.07 84.58,60.22 96.95,60.22 98.46,58.71 v1(98.46,53.45) ; U10.18 105.56,45.76 102.22,49.1 101.99,49.1 v1(100.82,50.26)
  Bottom w0.2: v1(51.21,62.3) 51.21,57.64 J7.3 ; v1(100.82,50.26) 98.46,52.63 v1(98.46,53.45)
/left_motor_+: length 19
  Top w0.3: 38.11,52.39 38.12,52.4 U5.2
  Top w0.5: J7.5 48.64,48.41 48.64,47.1 48.22,46.69 41.77,46.69 37.78,50.68 37.78,52.06 38.11,52.39
/left_motor_-: length 11.7
  Top w0.3: 38.48,51.77 38.61,51.9 U5.3
  Top w0.5: 38.48,51.77 38.48,51.3 42.04,47.74 J7.6
/left_motor_pwm_a: length 93.2
  Top w0.2: U5.6 42.15,51.9 v1(42.75,51.3) ; v1(43.28,61.78) 42.75,62.3 42.75,62.51 42.57,62.69 42.57,63.31 43.01,63.75 43.81,63.75 45.22,62.34 50.17,62.34 50.96,61.55 51.53,61.55 51.76,61.78 67.44,61.78 73.91,55.31 78.67,55.31 79.87,56.51 91.37,56.51 95.31,52.57 99.78,52.57 100.25,53.04 106.09,53.04 106.16,53.11 106.78,53.11 107.22,52.67 107.22,52.13 108.67,52.13 109.57,51.24 110.54,51.24 112.06,49.72 U10.10
  Bottom w0.2: v1(43.28,61.78) 43.67,61.39 43.67,52.49 42.75,51.57 v1(42.75,51.3)
/left_motor_pwm_b: length 91.3
  Top w0.2: v1(42.35,61.29) 42.7,60.94 50.38,60.94 50.57,60.75 51.86,60.75 52.02,60.91 56.3,60.91 56.31,60.91 56.32,60.92 56.48,60.92 56.62,60.92 56.65,60.95 56.91,60.95 56.93,60.96 56.93,60.95 66.84,60.95 73.29,54.51 79.01,54.51 80.21,55.71 91.04,55.71 94.98,51.77 100.59,51.77 101.06,52.24 102.02,52.24 102.37,51.89 103.14,51.89 103.69,51.35 105.46,51.35 v1(106.47,52.36) ; U5.5 42.37,50.29 v1(42.48,50.29) ; v1(109.31,50.53) 110.39,50.53 111.21,49.72 U10.11
  Bottom w0.2: v1(42.35,61.29) 43.27,60.37 43.27,52.73 42.57,52.03 42.15,52.03 42,51.88 42,50.78 v1(42.48,50.29) ; v1(109.31,50.53) 108.3,50.53 v1(106.47,52.36)
/lidar_pwm: length 141.2
  Top w0.2: 15.83,39.09 15.13,39.8 15.13,64.31 20.38,69.56 26.66,69.56 29.6,66.62 v1(83.3,66.62) ; U10.27 104.77,38.11 v1(104.27,38.61)
  Bottom w0.2: v1(104.27,38.61) 100.46,42.43 100.46,47.27 96.19,51.54 96.19,51.54 96.17,51.56 96.17,51.58 91.43,56.32 91.38,56.32 91.1,56.6 84.63,56.6 84.4,56.83 84.4,58.78 82.22,60.96 82.22,65.55 v1(83.3,66.62)
/lidar_tx: length 106.4
  Top w0.3: J2.3 23.33,41.59 41.82,60.08 50.04,60.08 50.22,59.9 52.21,59.9 52.37,60.06 56.59,60.06 56.68,60.07 57.11,60.08 57.37,60.06 60.3,60.06 66.73,53.63 79.45,53.63 79.74,53.92 80.38,53.92 80.69,54.04 81.42,54.77 90.76,54.77 103.16,42.36 U10.22
/motor_sleep: length 117.7
  Top w0.2: U5.7 41.87,52.4 v1(42.42,52.95) ; v1(109.88,51.99) 111.5,51.99 R17.2 ; U6.7 42.18,30 v1(42.52,30.34) ; 105.21,52.37 102.45,52.37 102.18,52.64 100.9,52.64 100.42,52.17 95.14,52.17 91.2,56.11 80.04,56.11 78.84,54.91 73.66,54.91 67.21,61.36 56.52,61.36 56.51,61.35 56.49,61.35 56.45,61.32 56.15,61.32 56.15,61.31 56.14,61.31 51.86,61.31 51.69,61.15 50.74,61.15 50.06,61.82 50.06,61.88 50.05,61.9 44.43,61.9 v1(43.32,63)
  Top w0.3: R17.2 112.91,50.58 U10.9
  Bottom w0.2: v1(42.52,30.34) 43.62,31.44 43.62,35.86 41.6,37.89 41.6,52.13 v1(42.42,52.95) 42.87,53.4 42.87,57.95 41.6,59.22 41.6,61.83 42.2,62.44 42.76,62.44 v1(43.32,63) ; v1(109.88,51.99) 109.26,52.61 107.22,52.61 107.22,52.67 106.78,53.11 106.16,53.11 v1(105.29,52.24)
/PGOOD: length 59.1
  Top w0.2: v1(72.08,0.71) 72.08,0.95 D8.1 ; v1(41.61,9.42) 37.1,13.92 30.32,13.92 26.54,17.7 25.34,17.7 25.24,17.6 23.59,17.6
  Bottom w0.2: v1(72.08,0.71) 61.02,0.71 60.79,0.94 60.79,3.72 55.09,9.42 v1(41.61,9.42)
/reprovision: length 97.1
  Top w0.2: C15.2 23.87,58.86 36.67,58.86 38.35,60.54 50.21,60.54 50.41,60.35 52.02,60.35 52.19,60.51 56.48,60.51 56.48,60.52 56.65,60.52 56.81,60.54 66.58,60.54 73.01,54.11 79.17,54.11 80.37,55.31 90.85,55.31 94.79,51.37 100.79,51.37 101.26,51.84 101.85,51.84 102.2,51.49 102.98,51.49 103.77,50.7 105.53,50.7 106.44,51.61 107.7,51.61 R16.2
  Top w0.3: R16.2 107.81,50.7 U10.15
  Top w0.5: C15.2 SW3.2
/right_encoder_a: length 94.1
  Top w0.2: v1(114.83,47.26) 114.83,48.29 U10.7
  Bottom w0.2: v1(114.83,47.26) 114.83,36.76 104.08,26.01 80.08,26.01 79.58,26.51 75.69,26.51 69.44,20.26 55.34,20.26 48.48,27.12 48.48,31.31 J9.2
/right_encoder_b: length 97.7
  Top w0.2: U10.8 113.76,46.53 v1(113.71,46.48)
  Bottom w0.2: v1(113.71,46.48) 113.71,37.46 113.68,37.43 113.68,37.18 113.43,36.93 113.43,36.11 103.97,26.65 80.33,26.65 80.07,26.91 69.7,26.91 63.86,21.07 55.1,21.07 48.97,27.2 48.97,32.71 48.29,33.39 46.63,33.39 46.12,32.88 46.12,31.68 J9.3
/right_motor_+: length 18.7
  Top w0.3: U6.2 38.53,30 38.45,29.92
  Top w0.5: J9.5 48.64,25.16 48.64,24.06 48.02,23.44 44.47,23.44 40.55,27.36 39.18,27.36 37.99,28.55 37.99,29.46 38.45,29.92
/right_motor_-: length 11.6
  Top w0.3: U6.3 39.03,29.5 38.81,29.28
  Top w0.5: J9.6 44.41,24.49 40.84,28.06 39.47,28.06 38.81,28.72 38.81,29.28
/right_motor_pwm_a: length 93.8
  Top w0.2: U6.6 42.23,29.5 43.22,28.51 43.22,27.85 43.49,27.59 49.44,27.59 v1(49.89,28.04) ; v1(110.24,46.11) 110.36,46.23 U10.12
  Bottom w0.2: v1(49.89,28.04) 50,27.93 50,27.35 49.89,27.24 49.89,26.84 55.26,21.47 63.7,21.47 69.56,27.33 80.21,27.33 80.49,27.05 103.54,27.05 110.1,33.61 110.1,36.35 110.24,36.5 v1(110.24,46.11)
/right_motor_pwm_b: length 100
  Top w0.2: v1(109.53,45.03) 109.51,45.05 U10.13 ; U6.5 42.23,28.18 v1(42.52,28.18) ; v1(40.48,26.16) 43.75,22.89 48.25,22.89 50.75,25.39 v1(50.75,27.04)
  Bottom w0.2: v1(42.52,28.18) 40.5,26.16 v1(40.48,26.16) ; v1(50.75,27.04) 50.75,26.55 55.43,21.87 63.53,21.87 69.43,27.77 80.34,27.77 80.66,27.45 103.37,27.45 109.69,33.77 109.69,44.87 v1(109.53,45.03)
/status_leds: length 56
  Top w0.2: v1(108.37,47.37) 108.66,47.66 U10.14 ; v1(103.85,28.99) 103.85,28.23 83.2,7.59 R13.1
  Bottom w0.2: v1(103.85,28.99) 104.23,28.99 106.54,31.31 106.62,31.31 107.06,31.75 107.06,31.82 109.29,34.06 109.29,38.27 108.55,39.02 108.55,45.23 108.95,45.64 108.95,46.79 v1(108.37,47.37)
/TMR: length 2
  Top w0.3: 20.67,17.6 19.31,17.6 R19.1
/TS: length 2.3
  Top w0.3: 20.64,13.92 20.64,15.17 21.36,15.89
/usb_5v: length 62.9
  Top w0.3: J1.A9 61.18,6.96 60.78,6.56 59.99,6.56 59.49,6.06 57.28,6.06 56.38,6.96 J1.A4
  Top w0.5: v1(17.53,15.8) 16.93,15.8 16.1,16.62 16.1,18.58 C1.2 18.06,18.2 20.67,18.2
  Bottom w0.5: v1(17.53,15.8) 31.23,2.09 44.55,2.09 45.99,3.53 53.51,3.53 55.44,5.46 56.77,5.46 v1(57.38,6.06)
/usb_data_+: length 65.3
  Top w0.2: 59.58,10.61 75.71,26.74 90.83,26.74 104.75,40.66 U10.24
  Top w0.3: J1.A6 58.53,6.81 58.78,6.56 59.28,6.56 59.53,6.81 J1.B6 59.53,10.56 59.58,10.61
/usb_data_-: length 66.3
  Top w0.2: 59.23,10.96 75.4,27.14 90.57,27.14 104.94,41.51 U10.23
  Top w0.3: J1.B7 58.03,8.17 58.28,8.41 58.78,8.41 59.03,8.17 J1.A7 59.03,10.77 59.23,10.96
Net-(D3-DIN): length 6.6
  Top w0.3: R13.2 82.38,3.38 82.38,4.93 81.96,5.35 80.93,5.35 79.8,4.22 D3.3
Net-(D3-DOUT): length 7.2
  Top w0.5: D4.3 v1(76.3,4.57) ; 81.64,2.47 v1(80.8,2.47)
  Bottom w0.3: v1(80.8,2.47) 79.93,2.47 77.83,4.57 v1(76.3,4.57)
Net-(D4-DOUT): length 9.3
  Top w0.3: D5.3 72.72,4.27 74.18,5.73 76.42,5.73 77.11,5.04 77.11,2.85 77.48,2.47 78.14,2.47
Net-(D7-A): length 1.7
  Top w0.2: D7.2 65.68,3.88
Net-(D8-A): length 1.7
  Top w0.2: D8.2 69.17,3.88
Net-(J1-CC1): length 2.5
  Top w0.3: J1.A5 57.53,8.77 56.69,9.61
Net-(J1-CC2): length 2.1
  Top w0.3: R2.1 60.53,9.07 J1.B5
Net-(Q1-G): length 37.1
  Top w0.3: R11.2 37.42,16.09 29.46,16.09 29.46,20.35 25.63,24.18 23.65,24.18 Q1.1
Net-(Q2-G): length 3.3
  Top w0.5: R6.2 20.36,32.5 Q2.1
Net-(SW4A-B): length 3.7
  Top w1: SW4.2 48.26,3.97 48.26,5.49 48.21,5.54 R11.1
Net-(U4-SW): length 2.9
  Top w1: 12.97,19.99 12.97,18.65 14.07,17.54

## Copper pours and planes (outline as drawn; the poured copper is in the pictures)
GND on Top, Bottom: -59.82,120.41 186.38,112.81 189.18,-44.99 -57.62,-44.39

Small or netless copper shapes (teardrops, artwork), in the pictures only: 225 on Top, 96 on Bottom
